# Altium PCB Developer_GT06.PcbDoc
Units mm, origin at the board's own origin, x right, y up, seen from the top; angles counter-clockwise.
Board outline 41.66 x 17.65 mm, 2 copper layers (Top Layer, Bottom Layer); 62 components, 37 nets, 134 pads, 47 vias.
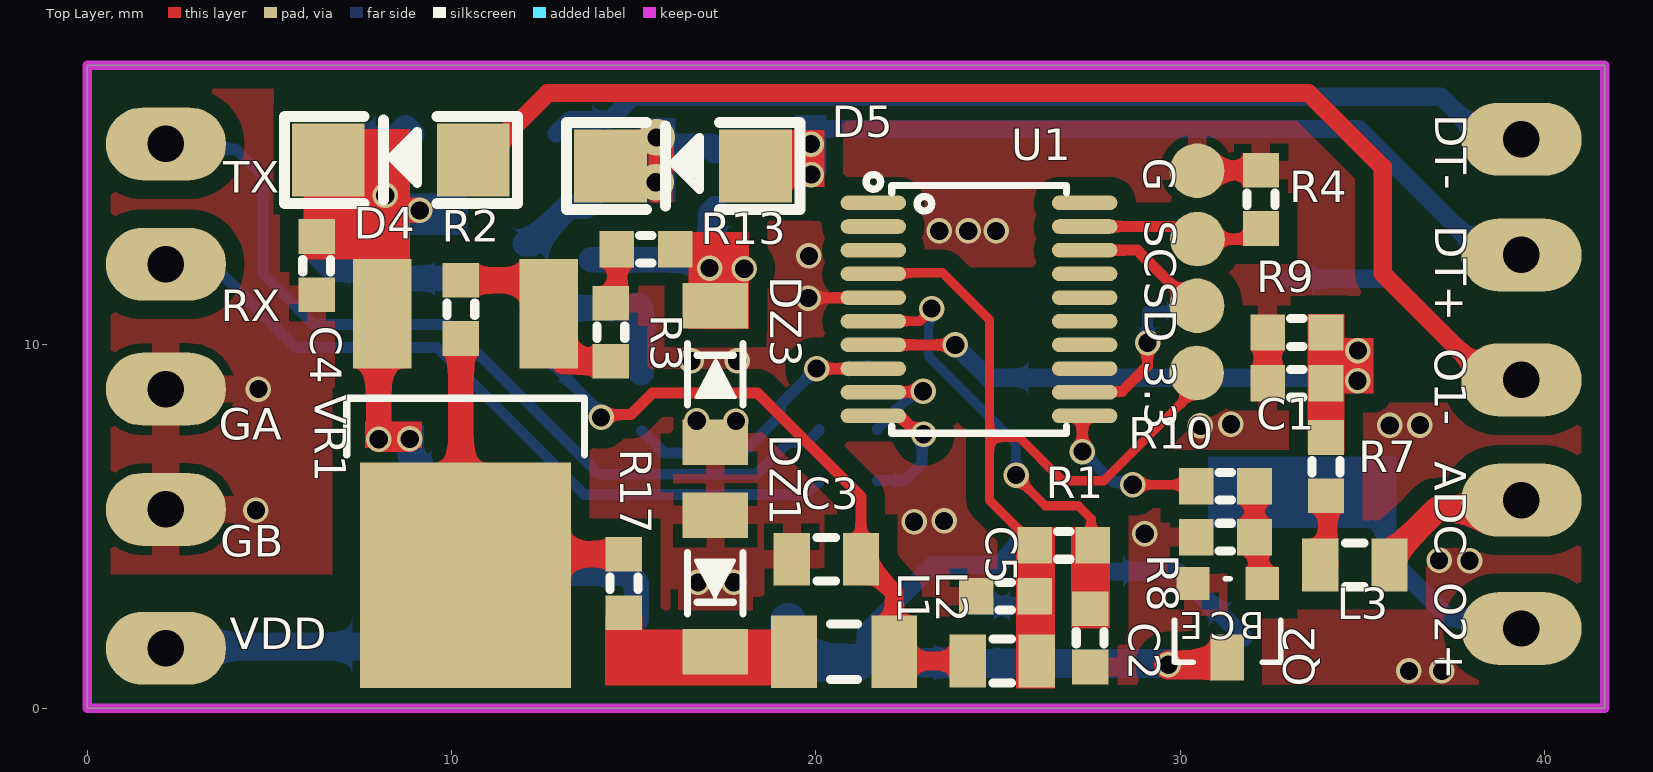
[diagram p0: Top Layer view]
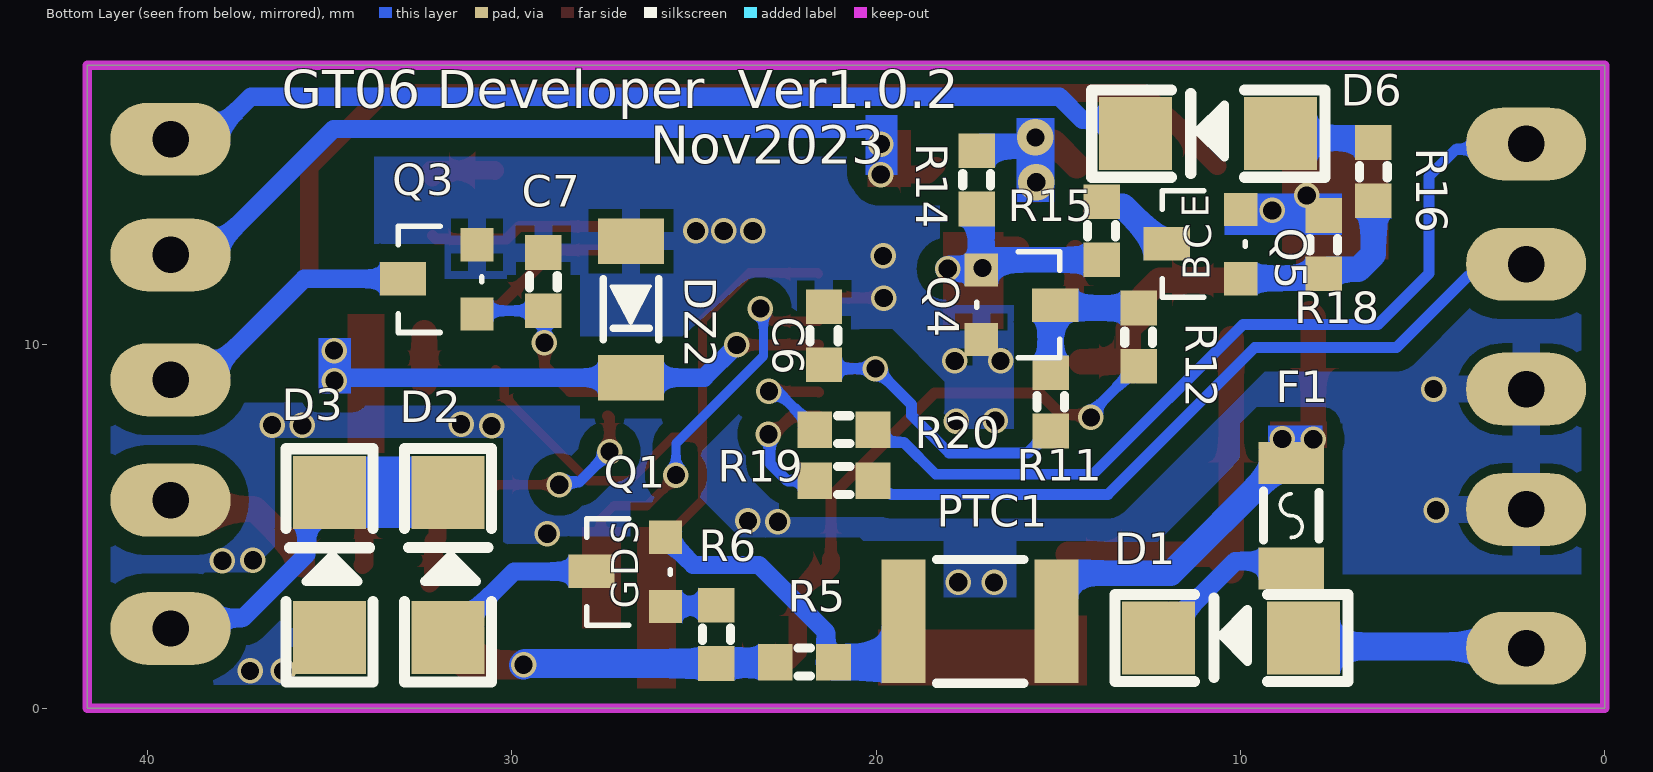
[diagram p1: Bottom Layer view, seen from below]
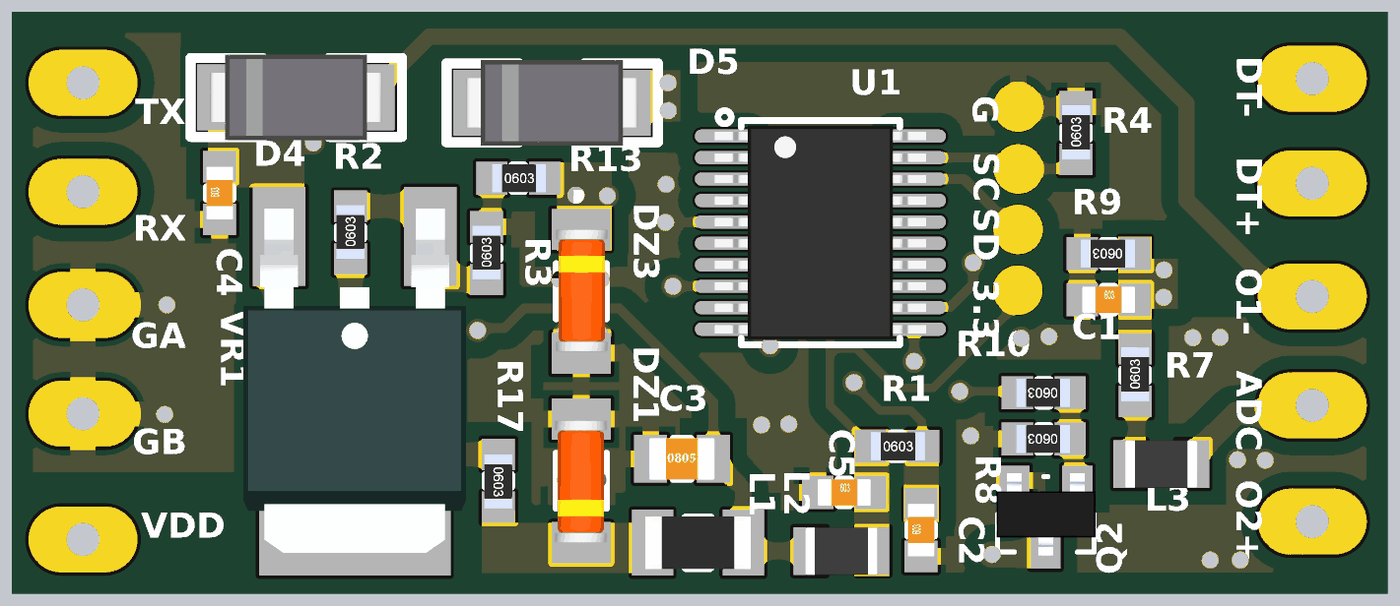
[diagram p2: 3D render of the assembled board from above, using the file's embedded part models]
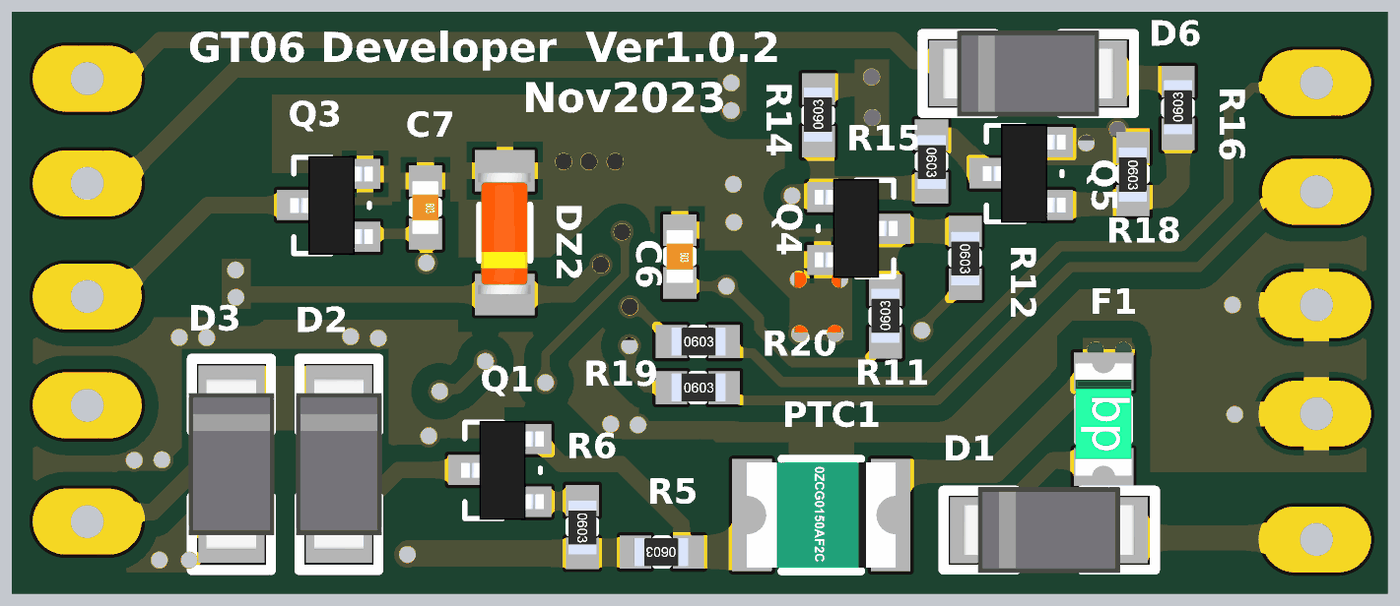
[diagram p3: 3D render of the assembled board from below, using the file's embedded part models]

## Layer stack, top to bottom
Top Solder: solder mask 0.0102, Solder Resist, Dk 3.5
Top Layer: signal copper 0.0356
Dielectric 1: dielectric 0.32, FR-4, Dk 4.8
Bottom Layer: signal copper 0.0356
Bottom Solder: solder mask 0.0102, Solder Resist, Dk 3.5

## Board outline
0,0 0,17.653 41.656,17.653 41.656,0

## Design rules (kind name [scope] priority, off if disabled: settings)
BoardOutlineClearance [All] p1: gap=0.508 ignorepadtopadclearanceinfootprint=FALSE
Clearance [All] p1: gap=0.254 ignorepadtopadclearanceinfootprint=TRUE except(0.508: Arc-Poly Track-Poly SMDPad-Poly THPad-Poly Via-Poly Fill-Poly Poly-Poly Poly-Region)
ComponentClearance [All] p1: gap=0.254 collisioncheckmode=3 verticalgap=0 showdistances=FALSE
HoleSize [All] p1: absolutevalues=TRUE maxlimit=12.7 minlimit=0.025 maxpercent=80.000 minpercent=20.000
MinimumSolderMaskSliver [All] p1: minsoldermaskwidth=0
PolygonConnect [All] p1: thpad.connectstyle=Relief thpad.reliefconductorwidth=0.762 thpad.reliefentries=4 thpad.polygonreliefangle="90 Angle" thpad.airgapwidth=0.254 smdpad.connectstyle=Relief smdpad.reliefconductorwidth=0.508 smdpad.reliefentries=4 smdpad.polygonreliefangle="90 Angle" smdpad.airgapwidth=0.254 via.connectstyle=Direct via.reliefconductorwidth=0.254 via.reliefentries=4 via.polygonreliefangle="90 Angle" via.airgapwidth=0.254
RoutingVias [All] p1: holewidth=0.7 width=1.27 viastyle="Through Hole" minholewidth=0.5 minwidth=0.5 maxholewidth=1 maxwidth=2.54
ShortCircuit [All] p1: allowed=TRUE
SilkToSolderMaskClearance [IsPad] p1: minsilkscreentomaskgap=0 clearancetoexposedcopper=TRUE
SolderMaskExpansion [All] p1: expansion=0.102 istentingtop=FALSE
UnRoutedNet [All] p1: checkbadconnections=TRUE
Width [All] p1: maxlimit=2.54 minlimit=0.254 preferedwidth=0.254
24 further rules are at their usual default settings.

## Components (designator, comment, footprint, x,y, rotation, side; value= is the part's Value field where it differs from the comment)
3.3 "" TPSMD_D1#1 30.454,9.206 r0 top net-tie value=VALUE
ADC "" TPSMD_D1#2 39.37,5.715 r270 top net-tie value=VALUE
C1 "100NF_0603_50V" Cap_0603_Nominal 33.205,8.92 r0 top value=100nF
C2 "100NF_0603_50V" Cap_0603_Nominal 27.528,1.935 r90 top value=100nF
C3 "10UF_0805_50V" Cap_0805_Nominal 20.289,4.094 r0 top value=100nF
C4 "100NF_0603_50V" Cap_0603_Nominal 6.295,12.152 r90 top value=100nF
C5 "100NF_0603_50V" Cap_0603_Nominal 25.204,3.078 r0 top
C6 "100NF_0603_50V" Cap_0603_Nominal 21.432,10.228 r270 bottom value=100nF
C7 "NC" Cap_0603_Nominal 29.134,11.714 r270 bottom value=100NF_0603_50V
D1 "1N4148_MINIMELF" DIODE_SMA 10.256,1.935 r0 bottom
D2 "IN4007(M7)_SMA" DIODE_SMA 31.75,3.937 r90 bottom
D3 "IN4007(M7)_SMA" DIODE_SMA 35.005,3.934 r90 bottom
D4 "IN4007(M7)_SMA" DIODE_SMA 8.605,15.053 r180 top
D5 "IN4007(M7)_SMA" DIODE_SMA 16.352,14.889 r180 top
D6 "IN4007(M7)_SMA" DIODE_SMA 10.891,15.778 r0 bottom
DT+ "" TPSMD_D1#2 39.37,12.446 r90 top net-tie value=VALUE
DT- "" TPSMD_D1#2 39.37,15.621 r90 top net-tie value=VALUE
DZ1 "ZENER_3.3V_MINIMELF" Diode_ZENER_MINIMELF 17.241,3.429 r270 top
DZ2 "NC" Diode_ZENER_MINIMELF 26.73,10.952 r270 bottom value=ZENER_3.3V_MINIMELF
DZ3 "ZENER_16V_MINIMELF" Diode_ZENER_MINIMELF 17.241,9.174 r90 top value=ZENER_5.1V_MINIMELF
F1 "0.5A_63V_1206" FUSE_1206_NOMINAL 8.605,5.29 r270 bottom
G "" TPSMD_D1#1 30.465,14.759 r90 top net-tie value=VALUE
GA "" TPSMD_D1#2 2.159,8.763 r90 top net-tie value=VALUE
GB "" TPSMD_D1#2 2.159,5.461 r90 top net-tie value=VALUE
L1 "10UH_1206" INDUCTOR_1206_NOMINAL 20.775,1.554 r180 top
L2 "10UH_0805" INDUCTOR_0805_Nominal 25.115,1.3 r0 top
L3 "10UH_0805" INDUCTOR_0805_Nominal 34.798,3.937 r180 top
O1- "" TPSMD_D1#2 39.37,9.017 r90 top net-tie value=VALUE
O2+ "" TPSMD_D1#2 39.37,2.192 r90 top net-tie value=VALUE
PTC1 "PTC" PTC_1812 17.147,2.39 r180 bottom
Q1 "SI2309A(MS29)_SOT23" SOT23_MOSFET 26.797,3.746 r90 bottom
Q2 "MMBT3904" SOT23_BJT 31.306,2.413 r180 top
Q3 "DDTD143EC(N62)_SOT23" SOT23 31.973,11.777 r90 bottom
Q4 "DDTD143EC(N62)_SOT23" SOT23 16.098,11.079 r270 bottom
Q5 "MMBT3906 (2A)_SOT23" SOT23_BJT 11.005,12.743 r90 bottom
R1 "1K_0603" Res_0603_Nominal 26.804,4.475 r0 top value=10K_0603
R2 "2.2K_0603" Res_0603_Nominal 10.256,10.952 r90 top value=10K_0603
R3 "3.3K_0603" Res_0603_Nominal 14.373,10.325 r90 top value=10K_0603
R4 "10K_0603" Res_0603_Nominal 32.221,13.974 r90 top
R5 "10K_0603" Res_0603_Nominal 21.971,1.27 r0 bottom
R6 "10K_0603" Res_0603_Nominal 24.384,2.032 r270 bottom
R7 "22K_0603" Res_0603_Nominal 34.005,6.634 r90 top value=3.3K_0603
R8 "10K_0603" Res_0603_Nominal 31.242,4.699 r180 top
R9 "2.2K_0603" Res_0603_Nominal 33.205,10.317 r180 top value=3.3K_0603
R10 "10K_0603" Res_0603_Nominal 31.242,6.096 r180 top
R11 "10K_0603" Res_0603_Nominal 15.209,8.412 r90 bottom
R12 "10K_0603" Res_0603_Nominal 12.796,10.19 r270 bottom
R13 "10K_0603" Res_0603_Nominal 15.336,12.603 r0 top
R14 "10K_0603" Res_0603_Nominal 17.241,14.508 r90 bottom
R15 "10K_0603" Res_0603_Nominal 13.812,13.111 r270 bottom
R16 "10K_0603" Res_0603_Nominal 6.35,14.732 r90 bottom
R17 "0K_0603" Res_0603_Nominal 14.732,3.429 r270 top value=10K_0603
R18 "2.2K_0603" Res_0603_Nominal 7.716,12.73 r270 bottom
R19 "1K_0603" Res_0603_Nominal 20.886,6.253 r180 bottom value=3.3K_0603
R20 "1K_0603" Res_0603_Nominal 20.886,7.65 r180 bottom value=3.3K_0603
RX "" TPSMD_D1#2 2.159,12.192 r90 top net-tie value=VALUE
SC "" TPSMD_D1#1 30.477,12.881 r90 top net-tie value=VALUE
SD "" TPSMD_D1#1 30.465,11.05 r90 top net-tie value=VALUE
TX "" TPSMD_D1#2 2.159,15.494 r90 top net-tie value=VALUE
U1 "STM32G030F6P6_TSSOP20" SOG65_20 24.48,10.952 r0 top value=STM32F103
VDD "" TPSMD_D1#2 2.159,1.651 r90 top net-tie value=VALUE
VR1 "LM317M2T_DPAK" DPAK 10.383,7.244 r180 top value=LM317M2T

## Footprints (in the part's own frame and the unit in brackets; to place one, negate y for a bottom-side part, rotate by r counter-clockwise, add the part's x,y. Pads: shape width x height; smd on the part's side, far side on the other; paste and mask are expansions set on the pad)
Cap_0603_Nominal [mm]
  rect 0.95x1 smd: 1(-0.8,0) 2(0.8,0)
  silkscreen extent -0.17,-0.38 0.17,0.38, body extent -0.8,-0.4 0.8,0.4, height 0.3
Cap_0805_Nominal [mm]
  rect 1x1.45 smd: 1(-0.95,0) 2(0.95,0)
  silkscreen extent -0.25,-0.6 0.25,0.6, body extent -1,-0.64 1,0.65, height 1.29
DIODE_SMA [mm]
  rect 2x2 smd: 1(-1.99,0) 2(1.99,0)
  silkscreen extent -3.21,-1.19 3.19,1.2, body extent -2.6,-1.3 2.6,1.3, height 2.45
Diode_ZENER_MINIMELF [mm]
  rect 1.25x1.8 smd: 1(-1.875,0) 2(1.875,0)
  silkscreen extent -0.84,-0.76 0.84,0.76, body extent -1.82,-0.81 1.88,0.79, height 1.61
DPAK [mm]
  rect 1.6x3 smd: 1(-2.285,-3.59) 3(2.285,-3.59)
  rect 5.8x6.2 smd: 2(0,3.59)
  silkscreen extent -3.27,-1.27 3.26,0.29, body extent -3.36,-4.45 3.36,6, height 2.39
FUSE_1206_NOMINAL [mm]
  rect 1.15x1.8 smd: 1(1.45,0) 2(-1.45,0)
  silkscreen extent -0.67,-0.76 0.67,0.76, body extent -1.7,-0.85 1.7,0.85, height 0.81
INDUCTOR_0805_Nominal [mm]
  rect 1x1.45 smd: 1(-0.95,0) 2(0.95,0)
  silkscreen extent -0.25,-0.6 0.25,0.6, body extent -1.1,-0.72 1.1,0.73, height 0.55
INDUCTOR_1206_NOMINAL [mm]
  rect 1.25x2 smd: 1(1.375,0) 2(-1.375,0)
  silkscreen extent -0.37,-0.76 0.37,0.76, body extent -1.6,-0.8 1.6,0.8, height 0.6
PTC_1812 [mm]
  rect 1.2x3.4 smd: 1(2.1,0) 2(-2.1,0)
  silkscreen extent -1.2,-1.7 1.2,1.7, body extent -2.25,-1.6 2.25,1.6, height 0.93
Res_0603_Nominal [mm]
  rect 0.95x1 smd: 1(-0.8,0) 2(0.8,0)
  silkscreen extent -0.17,-0.38 0.17,0.38, body extent -0.8,-0.42 0.84,0.43, height 0.26
SOG65_20 [mm] "PW TSSOP (TI), MO-153-AC (JEDEC), 20Lead, pitch: 0.65mm, 6.5x4.4x1.2mm"
  oval 1.8x0.4 smd mask+0.075: 1(-2.9,2.925) 2(-2.9,2.275) 3(-2.9,1.625) 4(-2.9,0.975) 5(-2.9,0.325) 6(-2.9,-0.325) 7(-2.9,-0.975) 8(-2.9,-1.625) 9(-2.9,-2.275) 10(-2.9,-2.925) 11(2.9,-2.925) 12(2.9,-2.275) 13(2.9,-1.625) 14(2.9,-0.975) 15(2.9,-0.325) 16(2.9,0.325) 17(2.9,0.975) 18(2.9,1.625) 19(2.9,2.275) 20(2.9,2.925)
  silkscreen extent -3.1,-3.4 2.4,3.7, body extent -3.2,-3.25 3.2,3.25, height 1.2
SOT23 [mil]
  rect 36x36 smd: 1(-37.5,-40) 2(37.5,-40)
  rect 36x50 smd: 3(0.5,40)
  silkscreen extent -57,-45 58,45, body extent -59,-49 59,49, height 42
SOT23_BJT [mil]
  rect 36x36 smd: 1(-37.5,-40) 2(37.5,-40)
  rect 36x50 smd: 3(0.5,40)
  silkscreen extent -57,-45 58,45, body extent -59,-49 59,49, height 42
SOT23_MOSFET [mil]
  rect 36x36 smd: 1(-37.5,-40) 2(37.5,-40)
  rect 36x50 smd: 3(0.5,40)
  silkscreen extent -58,-45 58,45, body extent -59,-49 59,49, height 42
TPSMD_D1#1 [mm] "Test Point, SMD Pad, Circle, 1mm X 1mm"
  round 1.5 smd paste-1.016 mask+0.025: 1(0,0)
TPSMD_D1#2 [mm] "Test Point, SMD Pad, Circle, 1mm X 1mm"
  oval 2x3.3 hole 1: 1(0,0)

## Part data
3.3 ADC DT+ DT- G GA GB O1- O2+ RX SC SD TX VDD: library part TESTPOINT_SMD, "TEST POINT", MANF=MANF, MANF_P#=MANF_P#
C1 C2 C3 C4 C5 C6 C7: library part Cap, Component ID=000401
D1 D2 D3 D4 D5 D6: library part Diode
  D1: Component ID=000441
  D2 D3 D4 D5 D6: Component ID=000448
DZ1 DZ2 DZ3: library part Diode_Zener, Component ID=000449
F1: library part FUSE, "Marking Code:F", Component ID=002669
L1 L2 L3: library part Inductor
  L1: Component ID=002908
  L2: Component ID=003143
Q1: library part MOSFET-P, "P-Channel MOSFET", LatestRevisionDate=17-Jul-2002, LatestRevisionNote="Re-released for DXP Platform.", PackageDescription="TO, Flat Index; 3 In-Line, Axial Leads; Body Dia. 4.6mm; Lead Dia. 0.5 mm (max)", PackageReference=E3, PackageVersion=1995/1996, Published=8-Jun-2000, Publisher="Altium Limited"
Q3 Q4: library part NPN_Digital, Component ID=000498
Q5: library part MMBT3906
R1 R2 R3 R4 R5 R6 R7 R8 R9 R10 R11 R12 R13 R14 R15 R16 R17 R18 R19 R20: library part RES
  R1 R2 R3 R4 R5 R6 R8 R10 R11 R12 R13 R14 R15 R16 R17 R18: Component ID=000091
  R7 R9 R19 R20: Component ID=000154
U1: library part STM32G030x6, "MCU, STM32 ARM 32-bit, Cortex M0, 64KB FLASH, 8KB SRAM", DESC="CAN, I2C, SPI, USART, USB", MANF=ST, MANF_P#=STM32F103C8T6, PARAM="64KB FLASH, 20KB SRAM, -40~85oC", PARAM2="2~3.6VCC, 72MHz, 2X12Bit ADC", PRICE=6$
VR1: library part VREG_LM317_TO220, "REG, Linear, Adjustable, 1.5A, TO-220", MANF="TI, ST, ON", MANF_P#="LM317KC, LM317T, LM317HVT, LM317BTG", PARAM=1.5A, PARAM2=PARAM2

## Via types
v1: diameter 0.7, hole 0.5, Top Layer to Bottom Layer, tented both sides, 45 vias
v2: diameter 1, hole 0.5, Top Layer to Bottom Layer, tented both sides, 2 vias

## Nets (pads, with @x,y where several pads share a name; then routed paths per layer and width w, separated by ;. In a path a pad name is that pad's centre, name@x,y a point inside that pad or via, vN(x,y) a via of type N, cw(c..) or ccw(c..) an arc to the next point about the centre after c; other vN are vias at no path point)
3V3: C3.2 L1.2 L2.1 R12.2 | length 17.4
  Top Layer w0.3: v1(14.105,7.987) 14.182,8.064 14.922,8.064 15.512,8.654 18.396,8.654 21.239,5.811 C3.2
  Top Layer w0.5: C3.2 21.239,3.869 21.489,3.619 21.714,3.619 22.15,3.183 L1.2 22.404,1.3 L2.1
  Bottom Layer w0.3: R12.2 12.821,9.39 14.029,8.182 14.029,8.064 v1(14.105,7.987)
12V: D1.1 VDD.1 | length 5.2
  Bottom Layer w0.762: VDD.1@3.175,1.698 8.03,1.698 D1.1
ADC_IN: ADC.1 L3.1 | length 4.5
  Top Layer w0.7: L3.1 35.748,4.162 37.052,5.466 39.121,5.466 ADC.1
ADC_IN_M: C1.2 DZ2.2 R7.2 R9.1 U1.7 | length 14.7
  Top Layer w0.3: U1.7 21.581,9.976 23.823,9.976 v1(23.824,9.975)
  Bottom Layer w0.5: v1(23.824,9.975) 24.722,9.077 34.738,9.077 34.925,8.89 34.903,8.912 34.903,9.797 v1(34.88,9.819)
  other v1: 34.869,8.991
DOOR_NEGATIVE: D6.2 DT-.1 | length 27.1
  Bottom Layer w0.5: D6.2 13.257,16.154 14.338,16.154 14.974,16.79 37.16,16.79 38.329,15.621 DT-.1@39.116,15.621
DOOR_POSITIVE: D5.1 DT+.1 | length 22.9
  Top Layer w0.5: D5.1 18.578,14.653 v1(19.877,14.653)
  Bottom Layer w0.5: v1@19.854,15.46 19.854,15.72 20.039,15.905 34.895,15.905 38.103,12.697 39.119,12.697 DT+.1 ; v1@19.854,15.475 v1(19.871,15.491)
DP_INPUT: C6.2 R11.1 U1.8 | length 9.2
  Top Layer w0.3: v1(20.018,9.327) U1.8
  Bottom Layer w0.3: R11.1 15.234,7.612 15.831,7.015 17.999,7.015 19.029,8.045 19.029,8.339 v1(20.018,9.327) 21.332,9.327 C6.2
GND: C1.1 C2.1 C3.1 C4.1 C5.1 C6.1 C7.1 D3.1 DZ1.1 DZ2.1 DZ3.1 G.1 GA.1 GB.1 Q2.2 Q3.2 Q4.2 R3.2 R4.2 R8.2 R9.2 R13.1 U1.5 | length 6.6
  Top Layer w0.3: v1(19.794,11.263) 19.801,11.27 21.573,11.27 U1.5
  Top Layer w0.508: R13.1 14.555,12.584 14.555,11.136 R3.2@14.574,11.117 ; G.1 30.472,14.766 32.213,14.766 R4.2 ; R4.2@32.103,14.657 R4.2@32.182,14.578
  Top Layer w0.7: C1.1 R9.2
  other v1: 36.282,1.025 37.187,1.025 16.763,3.455 17.749,3.459 37.945,4.051 37.107,4.066 29.029,4.791 22.697,5.123 23.522,5.146 4.631,5.44 30.559,7.751 35.754,7.767 36.582,7.777 31.396,7.801 16.729,7.896 17.805,7.887 4.699,8.763 16.587,9.537 17.845,9.537 19.809,12.418 23.388,13.106 24.186,13.106 24.947,13.106
M.VCC: 3.3.1 C5.2 L2.2 R1.1 U1.4 | length 18.2
  Top Layer w0.254: U1.4 21.608,11.955 23.477,11.955 24.765,10.667 24.765,7.44 ; R1.1 26.004,4.5 25.656,4.848 25.631,4.848 24.765,5.714 24.765,7.44 ; 3.3.1@30.449,9.301 30.211,9.062 30.211,8.554 27.905,6.249 26.771,6.249 25.58,7.44 24.765,7.44
NetC2_2: C2.2 R1.2 U1.6 | length 10.7
  Top Layer w0.254: U1.6 22.855,10.627 23.178,10.95 v1(23.178,10.973) ; v1(25.496,6.405) 25.496,6.359 26.296,5.559 27.207,5.559 27.559,5.207 27.559,4.52 R1.2
  Bottom Layer w0.254: v1(23.178,10.973) 23.093,10.888 23.093,9.672 25.496,7.269 v1(25.496,6.405)
NetD1_2: D1.2 F1.1 | length 4.5
  Bottom Layer w0.508: F1.1@8.605,4.041 10.14,4.041 D1.2
NetD2_1: D2.1 Q1.3 | length 4.7
  Bottom Layer w0.5: Q1.3 29.938,3.759 D2.1
NetD5_2: D5.2 R14.2 | length 4.5
  Top Layer w0.7: D5.2@14.49,14.889 15.14,15.539 15.414,15.539 15.546,15.671 v2@15.604,15.671 ; v2(15.627,15.671) 15.627,15.606 15.758,15.475 15.758,14.875 v2@15.758,15.368
  Bottom Layer w0.7: v2(15.627,15.671) 15.709,15.671 15.947,15.433 17.116,15.433 R14.2
  other v2: 15.604,14.441
NetD6_1: D6.1 R16.2 | length 2.8
  Bottom Layer w0.7: R16.2 6.473,15.655 8.449,15.655 8.736,15.943 D6.1
NetDZ1_2: DZ1.2 L1.1 R17.2
NetDZ3_2: DZ3.2 Q4.1 R13.2 R14.1 R15.2 | length 7.9
  Top Layer w0.7: R13.2@16.261,12.478 R13.2 16.86,12.603 17.083,12.38 v1(17.083,12.086) ; DZ3.2@16.966,11.324 DZ3.2
  Bottom Layer w0.7: R15.2@13.837,12.311 16.835,12.311 17.06,12.086 v1(17.083,12.086) ; Q4.1@17.1,12.069 v1(18.032,12.069) ; Q4.1 17.083,12.063 v1(17.083,12.086) ; R14.1 17.239,13.708 17.114,13.583 17.114,12.117 v1(17.083,12.086)
NetL3_2: L3.2 R7.1 | length 1.9
  Top Layer w0.5: R7.1 34.054,5.785 34.054,3.985 L3.2@34.102,3.937
NetPTC1_2: PTC1.2 Q1.2 R5.1 | length 9.4
  Bottom Layer w0.5: R5.1 21.379,1.478 21.379,2.098 23.218,3.937 25.019,3.937 Q1.2
  Bottom Layer w1: PTC1.2 19.247,1.37 19.347,1.27 R5.1
NetQ1_1: Q1.1 R6.1 | length 1.4
  Bottom Layer w0.5: R6.1 24.403,2.813 25.762,2.813 Q1.1
NetQ2_1: Q2.1 R8.1 R10.1 | length 2.8
  Top Layer w0.5: R10.1 R8.1 32.15,4.591 32.15,3.537 Q2.1
NetQ2_3: Q2.3 R5.2 R6.2 | length 8.7
  Top Layer w0.8: v1(29.678,1.194) 31.236,1.194 31.293,1.251 Q2.3
  Bottom Layer w0.8: R5.2 22.79,1.251 24.365,1.251 R6.2 29.639,1.232 v1(29.678,1.194)
NetQ4_3: Q4.3 R11.2 R12.1 | length 4.3
  Bottom Layer w0.3: R11.2 R11.2@15.234,9.212
  Bottom Layer w0.7: R12.1 15.006,10.99 Q4.3 15.102,11.066 15.209,10.959 R11.2
NetQ5_1: Q5.1 R16.1 R18.2 | length 5.4
  Bottom Layer w0.7: R16.1 6.35,12.465 6.76,12.055 7.591,12.055 R18.2 7.841,11.805 Q5.1@9.975,11.805
NetQ5_3: Q5.3 R15.1 | length 2.3
  Bottom Layer w0.7: Q5.3 12.199,12.755 13.23,13.786 13.687,13.786 R15.1
NetR2_1: R2.1 R17.1 VR1.2 | length 11
  Top Layer w0.7: R2.1 10.256,3.781 10.704,4.229 R17.1
NetR2_2: R2.2 R3.1 VR1.1 | length 5.8
  Top Layer w0.7: R2.2 12.218,11.752 12.668,11.302 VR1.1 13.078,10.424 13.078,9.517 R3.1@14.373,9.517
OUT1_C: D4.1 O1-.1 Q3.3 | length 42.1
  Top Layer w0.5: D4.1@10.637,14.889 12.643,16.895 33.524,16.895 35.56,14.859 35.56,11.938 38.481,9.017 O1-.1
  Bottom Layer w0.5: Q3.3 35.708,11.79 38.481,9.017 O1-.1
OUT1_M: C7.2 Q3.1 U1.12 | length 5.4
  Top Layer w0.3: U1.12 27.399,8.696 28.399,8.696 29.104,9.401 v1(29.104,10.037)
  Bottom Layer w0.3: v1(29.104,10.037) 29.104,10.884 C7.2 30.868,10.914 Q3.1
OUT2_C: D2.2 D3.2 O2+.1 | length 7.2
  Bottom Layer w0.5: D2.2@31.718,5.807 D2.2@32.034,5.492 ; D3.2 35.637,5.292 35.637,4.227 37.385,2.479 39.083,2.479 O2+.1 ; O2+.1@39.026,1.811 O2+.1@39.242,1.811
OUT2_M: R10.2 U1.11 | length 4.5
  Top Layer w0.254: v1(28.7,6.139) 30.399,6.139 R10.2
  Top Layer w0.3: v1(27.318,7.049) 27.318,7.981 27.364,8.027 U1.11
  Bottom Layer w0.3: v1(27.318,7.049) 28.152,6.215 28.623,6.215 v1(28.7,6.139)
RX: R19.1 U1.10 | length 3.8
  Top Layer w0.3: U1.10 22.307,8.027 22.735,7.599 22.88,7.599 v1(22.956,7.523)
  Bottom Layer w0.3: R19.1 22.448,6.253 22.918,6.723 22.918,7.485 v1(22.956,7.523)
RX_OUT: R19.2 RX.1 | length 20.7
  Bottom Layer w0.3: RX.1 2.484,11.867 3.754,11.867 5.715,9.906 9.607,9.906 13.641,5.872 19.585,5.872 19.616,5.903 19.761,5.903 20.086,6.228 R19.2 ; RX.1@2.413,11.938 RX.1@2.421,11.946
SWCLK: R4.1 SC.1 U1.19 | length 5
  Top Layer w0.3: U1.19 29.806,13.227 30.152,12.881 SC.1 32.085,12.881 R4.1@32.182,12.978
SWDIO: SD.1 U1.18 | length 3.7
  Top Layer w0.3: U1.18 28.825,12.577 28.955,12.447 30.352,11.05 SD.1
TX: R20.1 U1.9 | length 3.1
  Top Layer w0.3: U1.9 21.594,8.691 22.93,8.691 v1(22.945,8.705)
  Bottom Layer w0.3: R20.1 21.686,7.675 22.688,8.676 22.916,8.676 v1(22.945,8.705)
TX_OUT: R20.2 TX.1 | length 24
  Bottom Layer w0.3: TX.1@1.448,15.494 TX.1@1.594,15.64 ; TX.1 2.305,15.348 4.083,15.348 4.826,14.605 4.826,11.938 6.223,10.541 9.927,10.541 14.043,6.426 18.364,6.426 19.238,7.3 19.761,7.3 20.086,7.625 R20.2
VDD: C4.2 D4.2 F1.2 PTC1.1 Q5.2 R18.1 VR1.3 | length 16.3
  Top Layer w0.7: 6.829,13.081 7.679,13.081 8.129,12.631 VR1.3@8.129,12.201 ; 8.001,13.589 8.08,13.668 v1(9.129,13.668) ; VR1.3 8,10.735 v1(8,7.388) 8.846,7.388 v1(8.854,7.395)
  Bottom Layer w0.7: F1.2@8.768,7.31 8.854,7.224 8.854,6.965 8.878,6.941 F1.2@8.962,6.941 ; F1.2@9.155,6.716 9.155,6.465 11.907,3.713 14.797,3.713 15.073,3.437 PTC1.1@15.073,2.443
  other v1: 8.18,14.079
pads on no net: U1.1 U1.2 U1.3 U1.13 U1.14 U1.15 U1.16 U1.17 U1.20

## Polygon pours and split planes (outlines as drawn)
GND on Bottom Layer "GND_L02_P005" (solid, remove dead copper, pour order 5): 0,0 0,17.653 41.656,17.653 41.656,0
GND on Top Layer "GND_L01_P003" (solid, remove dead copper, pour order 3): 0,17.653 41.656,17.653 41.656,0 0,0

## Keep-outs
Keep-Out Layer:
  the board outline again, w0.254

## Other copper
Top Layer:
  rectangle net DOOR_POSITIVE: 19.05,14.316 20.238,15.875
  rectangle net ADC_IN_M: 33.655,8.636 35.306,10.16
  rectangle net NetDZ3_2: 16.51,10.414 18.161,13.081
  rectangle net VDD: 7.62,7.146 9.194,7.874
  rectangle net NetC2_2: 27.004,2.189 28.07,4.975
  rectangle net ADC_IN_M: 33.497,7.015 34.513,10.825
  rectangle net M.VCC: 25.496,0.538 26.568,4.983
  rectangle net NetD5_2: 15.455,13.879 16.062,15.871
  rectangle net VDD: 5.938,12.319 8.859,15.905
  region net NetDZ1_2: 14.224,2.54 14.224,0.635 19.939,0.635 19.939,2.159 15.24,2.159 15.24,2.54
  pour cut-out: 37.23,4.395 37.992,4.395 37.996,4.391 37.999,4.395 37.999,4.589 37.255,4.589 37.223,4.621
  pour cut-out: 6.79,8.826 6.731,8.767 6.731,3.683 6.992,3.683 7.001,3.692 6.943,3.75 6.943,8.821
  pour cut-out: 23.608,8.125 24.051,7.682 24.139,7.682 24.139,8.138 24.151,8.15 24.001,8.3 23.558,8.3
  pour cut-out: 16.087,7.553 16.087,5.938 16.072,5.923 15.727,5.923 15.727,7.533 15.749,7.554
  pour cut-out: 31.676,8.166 31.394,8.166 31.374,8.185 31.374,8.432 31.661,8.432 31.677,8.448
  pour cut-out: 37.35,8.382 37.339,8.392 35.632,8.392 35.632,8.542 35.695,8.605 37.361,8.605
  pour cut-out: 19.85,13.381 19.857,13.374 20.2,13.374 20.2,13.603 20.19,13.593 19.853,13.593
  pour cut-out: 20.093,3.84 20.236,3.84 20.247,3.85 20.251,3.846 20.251,3.686 20.11,3.686 20.087,3.662
  pour cut-out: 0.606,3.478 0.606,3.683 7.014,3.683 7.014,3.478
  pour cut-out: 5.108,16.561 5.117,16.57 5.117,17.036 5.375,17.036 5.379,17.039 5.403,17.015 5.403,16.561
  pour cut-out: 24.416,11.928 25.972,11.928 25.972,12.117 25.962,12.127 25.943,12.107 24.148,12.107
  pour cut-out: 6.684,3.213 6.974,3.213 6.988,3.227 6.988,3.042 6.69,3.042 6.676,3.028
  pour cut-out: 32.037,2.621 32.042,2.615 32.042,2.441 32.172,2.441 32.159,2.454 32.159,2.62
  pour cut-out: 28.587,5.483 28.592,5.488 28.822,5.488 28.822,5.698 28.781,5.739 28.753,5.712 28.566,5.712
  pour cut-out: 11.36,8.826 11.131,8.826 11.12,8.837 11.125,8.842 11.125,8.959 11.345,8.959 11.355,8.969
  pour cut-out: 16.236,3.265 16.229,3.258 16.229,2.709 15.991,2.709 16.001,2.718 16.001,3.263
Bottom Layer:
  rectangle net OUT2_C: 30.768,4.953 35.941,6.913
  rectangle net ADC_IN_M: 34.417,8.636 35.306,10.16
  rectangle net VDD: 7.747,7.224 9.239,7.766
  rectangle net NetD5_2: 15.098,13.896 16.141,16.201
  rectangle net VDD: 7.208,12.993 10.434,14.127
  rectangle net DOOR_POSITIVE: 19.42,14.635 20.289,16.286
  pour cut-out: 9.239,8.284 9.547,8.284 10.013,7.818 9.884,7.689 9.867,7.689
  pour cut-out: 37.226,3.743 37.239,3.73 38.435,3.73 38.435,3.601 38.417,3.619 37.231,3.619
  pour cut-out: 24.889,5.788 24.83,5.788 23.679,4.637 23.692,4.624 24.823,4.624
  pour cut-out: 20.355,4.598 20.449,4.692 23.026,4.692 23.026,4.598 22.854,4.427 22.847,4.435 20.353,4.435
  pour cut-out: 18.111,8.211 18.111,8.97 19.556,10.414 20.469,10.414
  pour cut-out: 23.865,11.5 25.33,10.213 25.33,9.795 24.933,9.795 23.867,10.861
  pour cut-out: 19.99,13.795 19.986,13.791 18.232,13.791 18.232,14.036 18.247,14.02 19.313,14.02
  pour cut-out: 5.184,14.513 5.159,14.538 5.159,17.004 5.317,17.004 5.322,17.009 5.322,14.519
  pour cut-out: 16.152,3.049 18.161,3.049 18.137,3.025 18.137,2.765 16.217,2.765 16.152,2.83
  pour cut-out: 37.35,8.382 37.339,8.392 35.632,8.392 35.632,8.542 35.695,8.605 37.361,8.605
  pour cut-out: 22.186,10.774 22.343,10.774 22.363,10.754 22.363,10.676 22.187,10.676 22.185,10.674
  pour cut-out: 0.606,3.478 0.606,3.683 7.197,3.683 7.197,3.478
  pour cut-out: 24.978,5.606 24.978,5.28 24.981,5.277 24.995,5.291 25.884,5.291 25.884,5.557 25.93,5.603
  pour cut-out: 33.401,2.159 33.401,1.651 33.621,1.651 33.651,1.681 33.651,2.189
  pour cut-out: 32.145,2.927 32.165,2.947 34.893,2.947 34.893,3.245 34.863,3.275 32.145,3.275
  pour cut-out: 33.782,15.161 33.782,12.753 34.149,12.753 34.149,14.804 34.1,14.853
  pour cut-out: 7.197,5.657 7.197,4.923 7.44,4.923 7.442,4.925 7.418,4.95 7.418,5.654

## Silkscreen, mask and mechanical layers (free items; w line width, h text height)
Bottom Overlay:
  text "GT06 Developer  Ver1.0.2" at 36.322,16.129 h1.78
  text "Nov2023" at 26.196,14.605 h1.78
Mechanical 2:
  circle w0.254: c40.377,20.947 r2
  circle w0.254: c3.377,20.947 r2
  circle w0.254: c40.372,20.935 r3.6
  circle w0.254: c3.377,20.947 r3.6

## Text inside footprints (layer, text, board x,y; h text height)
Q1: Bottom Overlay "D" at 26.289,3.619 h1.27 r270; Bottom Overlay "S" at 26.289,4.508 h1.27 r270; Bottom Overlay "G" at 26.289,2.73 h1.27 r270
Q2: Top Overlay "C" at 31.525,2.883 h1.27 r180; Top Overlay "E" at 30.631,2.886 h1.27 r180; Top Overlay "B" at 32.317,2.883 h1.27 r180
Q5: Bottom Overlay "C" at 10.558,12.605 h1.27 r270; Bottom Overlay "E" at 10.618,13.469 h1.27 r270; Bottom Overlay "B" at 10.592,11.758 h1.27 r270